# Altium PCB fastcar.PcbDoc (part 2 of 6) (continued)
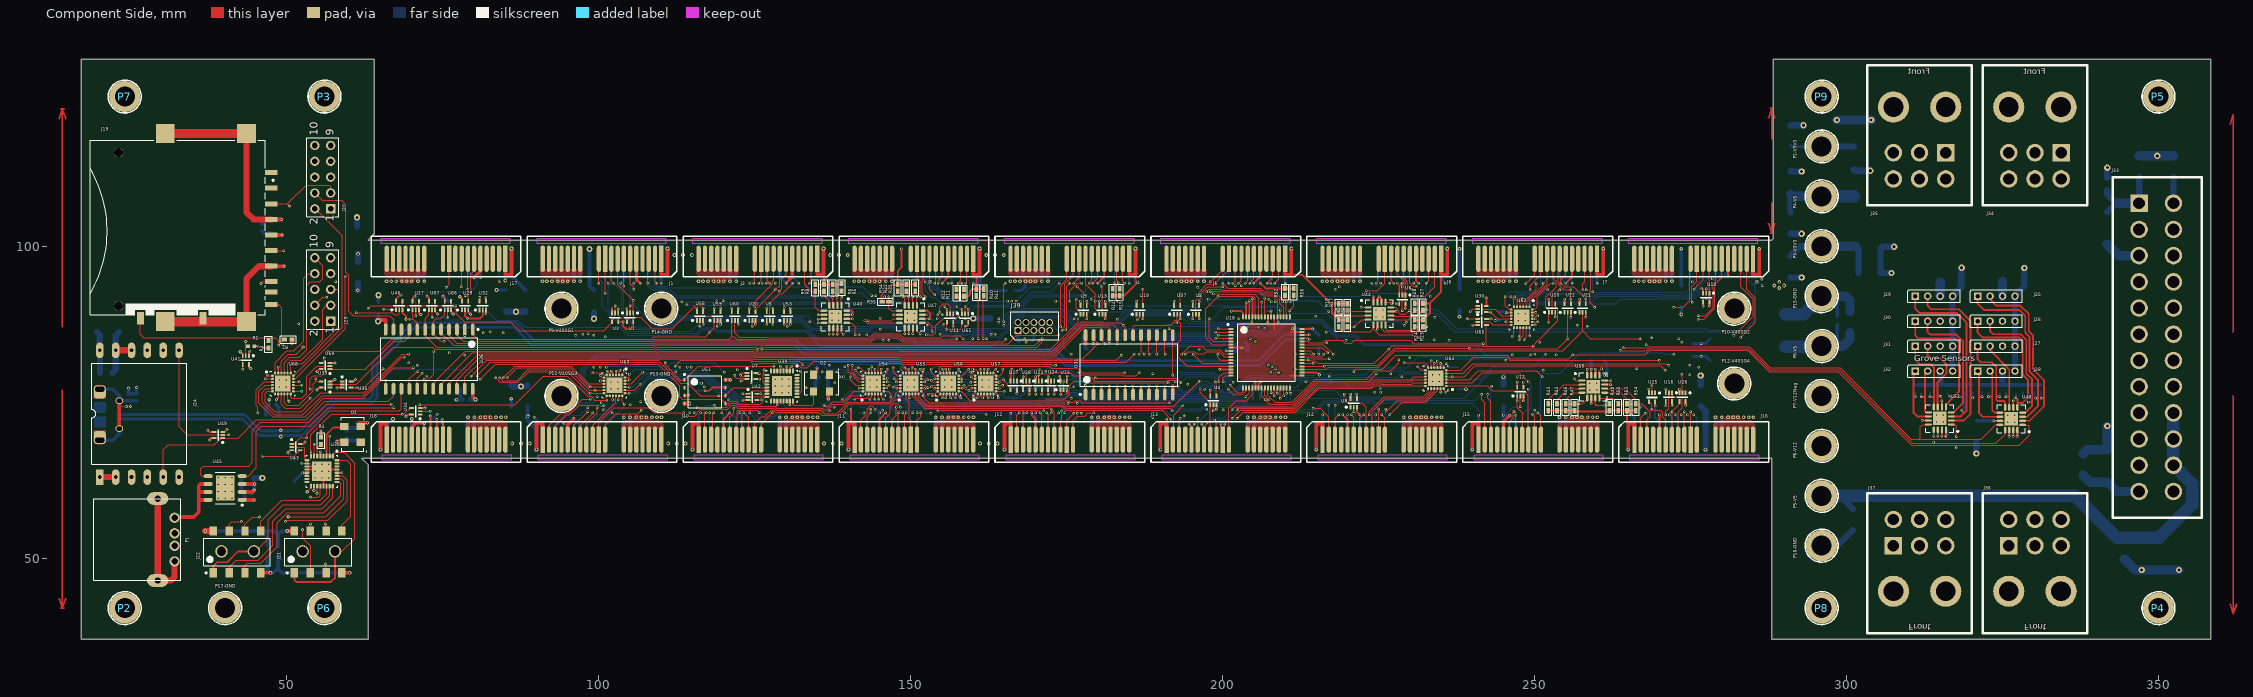
[diagram p0: Component Side view]
## Nets (pads, with @x,y where several pads share a name; then routed paths per layer and width w, separated by ;. In a path a pad name is that pad's centre, name@x,y a point inside that pad or via, vN(x,y) a via of type N, cw(c..) or ccw(c..) an arc to the next point about the centre after c; other vN are vias at no path point) (continued)
  Signal 2 w0.15: v1(46,66.3) 43.35,66.3 42.4,67.25 42.4,79.8 v1(42.9,80.3) 44.8,82.2 44.9,82.1 v1(56,82.1) 57.9,82.1 63,87.2 v1(63,90.1) ; v1(116.7,90.1) 117.2,90.6 118.9,90.6 119.4,90.1 v1(119.5,90.1) 119.5,90.2 119.9,90.6 121.575,90.6 122.075,90.1 v1(122.3,90.1) 122.925,90.725 127.275,90.725 v1(127.9,90.1) 128.5,90.7 130.1,90.7 v1(130.7,90.1) ; v1(155.8,86.7) 155.8,86.9 156.6,87.7 158.801,87.7 158.901,87.6 163.3,87.6 163.675,87.975 ; 163.675,87.976 163.924,88.225 ; 163.925,88.225 v1(164.1,88.4) ; v1(194.4,77.9) 198.4,77.9 v1(198.8,78.3) ; v1(198.8,78.3) 199.224,78.725 212.875,78.725 v1(213.3,78.3) ; v1(249.8,84) 249.8,83.98 250.08,83.7 257.6,83.7 258.1,84.2 v1(267.9,84.2) 273.2,84.2 v1(273.6,84.6)
  Signal 2 w0.3: v1(37.3,70.5) 37.3,71.2 37.9,71.8 42.35,71.8
  Solder Side w0.15: v1(130.7,90.1) 147.7,90.1 149.1,88.7 151.601,88.7 152.326,87.975 152.707,87.975 153.306,87.376 154.823,87.376 155.124,87.075 155.198,87.075 155.574,86.7 v1(155.8,86.7) ; v1(178.2,91.2) 178.9,90.5 180.5,90.5 v1(181.2,91.2) 181.9,90.5 195.5,90.5 v1(196.2,91.2) ; v1(213.3,78.3) 213.325,78.275 215.966,78.275 215.991,78.3 216.55,78.3 216.675,78.175 217.525,78.175 217.65,78.3 219.5,78.3 v1(221.5,76.3)
MOSI: U18.35 U19.2 U21.2 U23.2 U25.2 U27.2 U29.2 U32.2 U34.2 | length 267.6
  Component Side w0.15: U34.2@71.35,73.55 v1(72.95,73.55) ; U27.2@166.5,78.4 166.5,79.5 167.3,80.3 v1(167.6,80.3) ; U23.2@170.5,78.4 170.5,79.4 170.528,79.372 v1(170.528,79.35) 170.703,79.525 172.325,79.525 172.6,79.8 175.474,79.8 175.999,79.275 177.076,79.275 177.176,79.375 184.024,79.375 184.124,79.275 186.175,79.275 v1(186.6,79.7) ; v1(186.3,88.2) 186.7,88.6 U19.2@186.7,89.1 ; v1(211.59,80.3) 211.64,80.25 U18.35@212.31,80.25 ; U18.35@212.7,80.25 216.55,80.25 216.925,80.625 224.95,80.625 227.56,83.235 254.492,83.235 257.7,86.443 ; U21.2@257.7,89.4 257.7,86.443 ; v1(266.9,85.2) 258.943,85.2 257.7,86.443 ; v1(268.8,77.7) 268.82,77.68 U25.2@268.82,76.5
  Component Side w0.3: U29.2@78.55,89.8 78.55,88.83 v1@78.885,88.495 ; v1@78.93,88.45 80.97,88.45 81.39,88.87 U32.2@81.39,89.78
  Signal 1 w0.15: v1(72.95,73.55) 75.905,76.505 75.905,82.815 v1(76.04,82.95) 76.04,85.61 78.87,88.44 v1(78.87,88.48) ; v1(186.3,88.2) 186.6,87.9 v1(186.6,82.7) v1(186.6,79.7) ; v1(211.59,80.3) 211.6,80.31 v1(211.6,82.7) ; v1(266.9,85.2) 266.9,79.6 v1(268.8,77.7)
  Signal 2 w0.15: v1(76.04,82.95) 77.315,84.225 127,84.225 128.1,83.125 186.175,83.125 v1(186.6,82.7) 187.025,83.125 195.502,83.125 195.9,82.727 196.727,82.727 197.125,83.125 199.376,83.125 199.801,82.7 v1(211.6,82.7)
  Solder Side w0.15: v1(167.6,80.3) 168.1,79.8 170.1,79.8 170.528,79.372 v1(170.528,79.35)
NetC77_2: C77.2 J38.6@20,68.912 J38.7@20,77.087 J38.8@23.125,70.775 J38.9@23.125,75.225 R57.2 | length 15.9
  Component Side w0.6: J38.8@23.125,70.775 J38.9@23.125,75.225
  Solder Side w0.6: J38.6@20,68.912 22.063,68.913 23.15,70 J38.8@23.15,70.75 ; J38.7@20,77.087 22.063,77.087 23.15,76 23.15,75.25 C77.2@25.9,75.25
NetR4_2: R4.2 U38.6 | length 2.4
  Component Side w0.15: U38.6@54.85,66.125 54.85,67.65 R4.2@55.45,68.25
NetR26_1: R26.1 U51.7 | length 4.8
  Component Side w0.3: v1(117.03,76.84) 117.51,76.84 117.69,76.84 117.8,76.95 118.185,77.335 U51.7@120.275,77.335
  Solder Side w0.3: R26.1@115.7,76.85 v1@117.03,76.85
NetR30_2: R30.2 U51.3 | length 1.4
  Component Side w0.3: U51.3@113.725,76.065 114.365,76.065 v1(114.4,76.1)
  Solder Side w0.3: v1(114.4,76.1) R30.2@114.4,76.85
NetU36_18: U36.18 U37.4 | length 135.7
  Component Side w0.15: U36.18@72.165,77.15 72.165,78.165 73.5,79.5 v1(73.5,83.1) ; U37.4@193.2,90.5 v1(193.2,92.4)
  Signal 1 w0.15: v1(73.5,83.1) 73.5,86.951 v1(77.049,90.5)
  Signal 2 w0.15: v1(77.049,90.5) 89,90.5 91.6,93.1 104.9,93.1 105.4,92.6 106.2,92.6 106.325,92.725 112.526,92.725 113.051,92.2 128.724,92.2 128.899,92.375 135.626,92.375 136.451,93.2 150,93.2 150.2,93 163.924,93 164.549,92.376 173.026,92.376 ; 173.027,92.375 193.175,92.375 v1(193.2,92.4)
RESETENDS: J17.A10 J39.10 U68.6 | length 167.3
  Component Side w0.15: U68.6@47.675,76.75 46.85,76.75 46.5,76.4 46.5,75 48,73.5 52.35,73.5 53.748,74.898 55.4,76.55 62.326,76.55 68.476,82.7 v1(69.49,82.7) ; v1(75.5,93.4) 76,93.9 J17.A10@76,98
  Signal 1 w0.15: v1(69.49,82.7) 67,85.19 67,90.2 70.15,93.35 75.55,93.35 v1(75.5,93.4)
  Signal 2 w0.15: v1(69.49,82.7) 69.665,82.525 77.49,82.525 78.89,83.925 126.8,83.925 127.9,82.825 175.575,82.825 v1(175.7,82.7)
  Solder Side w0.15: J39.10@172.27,87.77 172.27,87.731 174.026,85.975 174.065,85.975 174.5,85.54 174.5,83.8 175.6,82.7 v1(175.7,82.7)
RESETMISO: U55.12 U59.2 | length 44
  Component Side w0.15: v1(119.001,87.201) v1@119.001,87.399 ; v1@119,87.4 U59.2@119,88.1 ; v1(151.5,80.3) 151.675,80.125 ; U55.12@151.675,79.25 151.75,79.25 151.9,79.4 151.9,79.899 151.675,80.124
  Signal 1 w0.15: v1(151.5,80.3) 151.5,84.949 152.075,85.524 152.075,86.775 v1(152.6,87.3)
  Signal 2 w0.15: v1(119.001,87.201) 119.502,86.7 127.424,86.7 127.449,86.725 129.874,86.725 130.124,86.475 130.476,86.475 131.001,87 144.799,87 144.924,87.125 145.024,87.125 145.224,87.325 152.049,87.325 ; 152.049,87.325 152.575,87.325 v1(152.6,87.3)
RESETN: U18.52 U54.13 U55.13 U56.13 U57.13 U62.13 U63.13 U64.13 U68.13 | length 235.4
  Component Side w0.15: U68.13@51.025,76.75 v1(52.35,76.75) ; v1(71.3,74.6) 86.5,74.6 91.1,79.2 94.9,79.2 98.175,75.925 98.776,75.925 99.351,75.35 v1@101.051,75.35 ; v1(101.25,75.35) U63.13@101.25,76.025 ; U54.13@145.25,79.675 v1(145.25,80.3) ; v1(150.7,80.3) 150.741,80.3 151.15,79.891 151.15,79.874 151.3,79.725 U55.13@151.25,79.675 ; U56.13@157.25,79.675 157.7,80.125 v1(157.7,80.3) ; U57.13@163.25,79.675 163.25,79.95 v1(163.6,80.3) ; U18.52@209.25,88.7 v1(209.25,89.75) ; v1(231.3,80.7) 231.88,80.12 U64.13@232.495,80.12 ; v1(246.4,85.6) 246.68,85.88 U62.13@246.68,86.955
  Signal 1 w0.15: v1(101.2,80.6) 101.2,80.575 100.8,80.175 100.8,75.8 v1(101.25,75.35) ; v1(209,79.7) 209,86.699 209.325,87.024 209.325,88.1 209,88.425 209,89.6 209.15,89.75 v1(209.25,89.75) ; v1(231.3,80.7) 231.3,85.2 v1(231.4,85.3)
  Signal 2 w0.15: v1(52.35,76.75) 53.4,77.8 65.5,77.8 68.7,74.6 v1(71.3,74.6) ; v1(120.1,79.8) 120.125,79.775 122.399,79.775 122.649,80.025 125.951,80.025 126.201,79.775 126.676,79.775 126.701,79.8 130.446,79.8 131.846,78.4 137.499,78.4 137.624,78.525 137.976,78.525 138.101,78.4 140.95,78.4 142.425,79.875 144.875,79.875 145.25,80.25 145.625,79.875 150.275,79.875 v1(150.7,80.3) 151.125,80.725 157.275,80.725 v1(157.7,80.3) 158.125,80.725 163.175,80.725 v1(163.6,80.3) 164.025,80.725 169.574,80.725 170.524,79.775 171.223,79.775 171.424,79.575 173.249,79.575 173.599,79.925 175.424,79.925 175.624,80.125 197.15,80.125 197.9,79.375 207.876,79.375 208.789,79.375 v1@209,79.585 ; v1(231.3,80.7) 231.175,80.825 224.326,80.825 222.976,79.475 218.1,79.475 217.65,79.925 215.283,79.925 214.943,79.586 211.901,79.586 211.89,79.575 209.011,79.575 v1@209,79.586 ; v1(231.4,85.3) 231.612,85.512 232.963,85.512 233.475,86.025 236.625,86.025 236.925,85.725 246.275,85.725 v1(246.4,85.6) ; v1@209,79.586 v1(209,79.7) v1@209,79.585
  Solder Side w0.15: v1(101.2,80.6) 101.3,80.6 101.5,80.8 111,80.8 111.5,81.3 118.6,81.3 v1(120.1,79.8)
S1ERR: J1.B2 U54.15 | length 52.1
  Component Side w0.15: v1@144.25,80.25 U54.15@144.25,79.675 v1(144.25,80.3)
  Signal 1 w0.15: v1@144.225,80.275 v1@144.25,80.25 ; v1(144.25,80.3) 144.375,80.425 144.375,86.399 144.375,87 144.375,92.075 v1(144.4,92.1)
  Solder Side w0.15: J1.B2@109,95.9 108.875,95.775 108.875,93.924 109.174,93.625 111.047,93.625 ; 111.047,93.64 111.26,93.64 111.575,93.325 127.924,93.325 128.124,93.525 133.099,93.525 134.249,92.375 137.05,92.375 137.2,92.525 142.175,92.525 143.1,91.6 143.9,91.6 v1(144.4,92.1)
S1GPIO1: J1.A8 U1.1 U31.1 | length 100.5
  Component Side w0.15: J1.A8@103,98 103.025,97.975 103.025,93.8 v1(105.5,91.325) U1.1@105.5,89.3 ; v1(178,77.7) 178.015,77.685 U31.1@178.015,76.25
  Signal 1 w0.15: v1(176.2,88.4) 176.2,83.6 178,81.8 v1(178,77.7)
  Solder Side w0.15: v1(105.5,91.325) 105.5,90.646 108.871,87.275 111.129,87.275 112.679,88.825 133.476,88.825 134.225,88.076 134.225,88.014 135.064,87.175 143.276,87.175 143.826,87.725 145.524,87.725 145.749,87.5 151.724,87.5 152.075,87.15 152.075,87.074 152.274,86.875 152.875,86.875 153.025,87.025 154.75,87.025 155.5,86.275 156.601,86.275 156.926,86.6 158.701,86.6 158.976,86.875 165.076,86.875 165.815,87.614 165.815,88.34 166.62,89.145 167.248,89.145 168.203,90.1 174.299,90.1 176,88.4 v1(176.2,88.4)
S1GPIO2: J1.B8 U57.15 | length 79.3
  Component Side w0.15: U57.15@162.25,79.675 162.25,80.15 v1(162.4,80.3)
  Signal 1 w0.15: v1(162.4,80.3) 162.7,80.6 162.7,81.024 163.5,81.824 v1(163.5,85.9)
  Solder Side w0.15: J1.B8@103,98 103,93.924 104,92.924 104,92.8 104.012,92.788 104.012,89.063 106.101,86.975 111.253,86.975 112.803,88.525 132.574,88.525 134.224,86.875 143.4,86.875 143.95,87.425 145.4,87.425 145.625,87.2 151.474,87.2 152.149,86.525 152.199,86.525 152.8,86.525 153.024,86.525 153.224,86.725 154.625,86.725 155.376,85.975 156.725,85.975 157.05,86.3 158.825,86.3 159.1,86.575 162.826,86.575 163.325,86.076 v1(163.5,85.9)
S1GPIO3: J1.A9 U57.16 | length 79.8
  Component Side w0.15: J1.A9@102,98 102,94.5 v1(102.4,94.1) ; U57.16@161.75,79.675 v1(161.75,80.3)
  Signal 1 w0.15: v1(161.75,80.3) 161.799,80.3 162.4,80.901 162.4,81.149 163,81.749 162.8,81.949 162.9,82.049 v1(162.9,85.9)
  Solder Side w0.15: v1(102.4,94.1) 103.7,92.8 103.7,88.951 105.976,86.675 111.377,86.675 112.927,88.225 132.45,88.225 134.1,86.575 143.524,86.575 144.074,87.125 145.276,87.125 145.501,86.9 151.35,86.9 152.15,86.1 152.198,86.1 152.324,86.225 152.676,86.225 152.925,85.976 152.925,85.95 153.699,85.175 156.349,85.175 157.175,86 158.95,86 159.175,86.225 162.575,86.225 v1(162.9,85.9)
S1GPIO4: J1.B9 U57.17 | length 79.6
  Component Side w0.15: v1(161.1,80.3) 161.25,80.15 U57.17@161.25,79.675
  Signal 1 w0.15: v1(161.1,80.3) 162.2,81.4 v1(162.2,85.2)
  Solder Side w0.15: J1.B9@102,98 101.975,97.975 101.975,93.875 101.5,93.4 101.5,89.699 104.824,86.375 114.774,86.375 116.324,87.925 132.325,87.925 134.975,85.275 142.976,85.275 143.326,85.625 145.9,85.625 147,85.625 147.6,85.625 148.05,85.175 150.376,85.175 150.976,84.575 158.674,84.575 159.724,85.625 161.875,85.625 162.2,85.3 v1(162.2,85.2)
S1GPIO5: J1.A10 U55.15 | length 73.3
  Component Side w0.15: v1(101,92.5) J1.A10@101,98 ; v1(150.2,80.6) 150.25,80.55 U55.15@150.25,79.675
  Signal 1 w0.15: v1(99.2,80.6) 99.2,80.625 101.8,83.225 101.8,86.6 101,87.4 101,91.524 ; 101,91.524 v1(101,92.5)
  Solder Side w0.15: v1(99.2,80.6) 99.2,80.649 99.074,80.774 100.175,81.875 130.426,81.875 131.776,80.525 132.826,80.525 133.401,81.1 135.8,81.1 136.7,80.2 140.599,80.2 141.524,81.125 149.675,81.125 v1(150.2,80.6)
S1GPIO6: J1.B10 U18.5 U18.59 | length 127.1
  Component Side w0.15: v1(197.8,88.4) 197.8,85.4 198.45,84.75 U18.5@201.3,84.75 ; v1(198.5,92.4) 198.525,92.425 199.625,92.425 199.725,92.325 205.126,92.325 205.75,91.701 U18.59@205.75,88.7
  Signal 1 w0.15: v1(197.8,88.4) 198.5,89.1 v1(198.5,92.4)
  Signal 2 w0.15: v1(101.5,94.1) 101.5,94.576 102.924,96 197.624,96 198.8,94.824 198.8,92.7 v1(198.5,92.4)
  Solder Side w0.15: J1.B10@101,98 101,94.6 v1(101.5,94.1)
S1GPIO7: J1.A11 U18.6 U18.60 | length 128.7
  Component Side w0.15: v1(100,94.1) J1.A11@100,98 ; U18.6@201.3,84.25 198.35,84.25 197.275,85.325 197.275,89.975 v1(199.3,92) 199.325,92.025 204.926,92.025 205.25,91.701 U18.60@205.25,88.7
  Signal 2 w0.15: v1(100,94.1) 100.6,94.1 100.7,94.2 102.8,96.3 197.749,96.3 199.1,94.949 199.1,92.2 v1(199.3,92) ; v1@199.425,92.075 199.45,92.05 199.5,92
S1GPIO8: J1.B11 U57.18 | length 78
  Component Side w0.15: v1(159.9,80.3) 160.4,80.3 160.5,80.2 ; 160.5,80.2 160.75,79.95 U57.18@160.75,79.675
  Signal 1 w0.15: v1(159.9,85.2) 159.5,85.2 159.9,84.8 v1(159.9,80.3)
  Solder Side w0.15: J1.B11@100,98 100,94.801 100.5,94.301 100.5,90.2 103.4,87.3 103.475,87.3 104.7,86.075 115.676,86.075 116.526,86.925 118.676,86.925 119.026,86.575 133.249,86.575 134.849,84.975 145.074,84.975 145.424,85.325 145.776,85.325 147.124,85.325 147.476,85.325 147.926,84.875 150.252,84.875 150.852,84.275 158.975,84.275 v1(159.9,85.2)
S1MISO: J1.B6 U1.2 | length 8.7
  Component Side w0.15: U1.2@104.92,89.29 U1.2@104.92,89.3 ; U1.2@105,89.3 v1(105,90.5)
  Solder Side w0.15: v1(105,90.5) 105,92.4 J1.B6@105,98
S1RXD: J1.A4
S1SCL: J1.A3 R6.2 U40.3 | length 37.2
  Component Side w0.15: v1(107.83,94.07) 107.83,97.83 J1.A3@108,98 ; R6.2@137.5,92.8 v1(137.5,91.8) 137.5,90.6 U40.3@137.575,90.525
  Solder Side w0.15: v1(107.83,94.07) 107.83,93.687 108.492,93.025 110.829,93.025 112.079,91.775 137.475,91.775 v1(137.5,91.8)
S1SDA: J1.B3 R5.2 U40.2 | length 38.1
  Component Side w0.15: U40.2@138.225,90.525 138.2,90.55 v1(138.2,91.8) 138.2,92.1 R5.2@138.9,92.8
  Solder Side w0.15: J1.B3@108,98 108.27,97.73 108.27,96.9 108,96.63 108,94.841 108.27,94.571 108.27,93.74 108.685,93.325 111.151,93.325 112.401,92.075 137.174,92.075 137.324,92.225 137.975,92.225 138.2,92 v1(138.2,91.8)
S1SIG: J1.A2 U56.15 | length 65.5
  Component Side w0.15: J1.A2@109,98 109,94.4 v1(109.3,94.1) ; v1(156.2,80.3) 156.2,79.725 U56.15@156.25,79.675
  Signal 1 w0.15: v1(155.461,90.339) 155.962,90.339 156.3,90.001 156.3,86.599 155.944,86.243 155.944,84.356 156.2,84.1 v1(156.2,80.3)
  Signal 2 w0.15: v1(109.3,94.1) 109.725,93.675 130.524,93.675 130.799,93.4 134.475,93.4 136.075,95 151.6,95 v1(152.3,94.3)
  Solder Side w0.15: v1(152.3,94.3) 152.3,92.899 153.424,91.775 154.025,91.775 v1(155.461,90.339)
S1TXD: J1.B4
S2ERR: J2.B2 U54.16 | length 26.6
  Component Side w0.15: U54.16@143.75,79.675 v1(143.75,80.7)
  Signal 1 w0.15: v1(143.7,92.1) 143.7,80.75 v1(143.75,80.7)
  Solder Side w0.15: J2.B2@134,98 134,94.624 135.099,93.525 142.275,93.525 v1(143.7,92.1)
S2GPIO1: J2.A8 U5.1 U31.2 | length 83.7
  Component Side w0.15: v1(125,90.3) 125,91.099 127.825,93.924 127.825,94.425 128,94.6 J2.A8@128,98 ; v1(126.1,83.5) 172.46,83.5 176.8,87.84 v1(176.8,88.4) ; v1(126.9,87.5) U5.1@126.9,88.1 ; U31.2@179.285,76.25 v1(179.285,77.6)
  Signal 1 w0.15: v1(125,90.3) 126.9,88.4 v1(126.9,87.5) 126.9,84.3 v1(126.1,83.5) ; v1(176.8,88.4) 178.54,86.66 178.54,83.2 179.175,82.565 179.175,78.7 179.285,78.59 v1(179.285,77.6)
S2GPIO2: J2.B8 U57.19 | length 45.3
  Component Side w0.15: v1(159.6,79.8) 160.15,79.251 U57.19@160.325,79.25
  Signal 1 w0.15: v1(128.3,94.1) 129.325,93.075 129.325,92.6 132.4,89.525 132.4,88.2 134.49,86.11 134.49,85.01 138.975,80.525 138.975,80.524 139.2,80.299 v1(139.2,79.1)
  Solder Side w0.15: J2.B8@128,98 128,94.4 v1(128.3,94.1) ; v1(139.2,79.1) 139.625,79.525 140.576,79.525 140.776,79.325 145.7,79.325 145.95,79.575 146.725,79.575 146.925,79.775 155.875,79.775 155.9,79.8 v1(159.6,79.8)
S2GPIO3: J2.A9 U57.20 | length 47
  Component Side w0.15: J2.A9@127,98 127,94.501 v1@127.4,94.101 ; v1(159.7,79.1) 159.7,79 159.95,78.75 U57.20@160.325,78.75
  Signal 1 w0.15: v1(127.4,94.1) 127.4,92.9 127.925,92.375 129.126,92.375 132.1,89.401 132.1,88.076 134.19,85.986 134.19,84.81 138.6,80.4 v1(138.6,79.1)
  Solder Side w0.15: v1@138.6,79.099 139.024,78.675 139.3,78.675 140.9,78.675 141.25,79.025 145.824,79.025 146.074,79.275 146.849,79.275 147.049,79.475 152.175,79.475 153.6,79.475 159.225,79.475 159.6,79.1 v1(159.7,79.1)
S2GPIO4: J2.B9 U57.21 | length 48.7
  Component Side w0.15: v1@159.602,78.25 U57.21@160.325,78.25
  Signal 1 w0.15: v1(126.8,94.1) 126.8,93.076 129.275,90.601 129.275,90.024 129.524,89.775 129.976,89.775 133.89,85.861 133.89,84.686 137.875,80.701 137.875,78.624 137.9,78.599 137.8,78.499 v1(137.8,78.1)
  Signal 2 w0.15: v1(137.8,78.1) 141.676,78.1 143.151,79.575 158.45,79.575 158.975,79.051 158.975,78.8 159.574,78.2 v1(159.6,78.2)
  Solder Side w0.15: v1(126.8,94.1) 126.975,94.275 126.975,97.975 J2.B9@127,98
S2GPIO5: J2.A10 U55.16 | length 37.3
  Component Side w0.15: J2.A10@126,98 126,94.301 v1@126.2,94.101 ; v1(149.7,80.3) 149.7,79.725 U55.16@149.75,79.675
  Signal 1 w0.15: v1(126.2,94.1) 126.2,93 128,91.2 128.025,91.2 128.975,90.25 128.975,89.9 129.4,89.475 129.75,89.475 133.59,85.635 133.59,83.11 135.8,80.9 v1(135.8,79.9)
  Solder Side w0.15: v1(135.8,79.9) 135.875,79.825 140.774,79.825 140.924,79.675 145.625,79.675 145.826,79.875 146.376,79.875 146.576,80.075 148.824,80.075 149.176,80.075 149.401,80.3 v1(149.7,80.3)
S2GPIO6: J2.B10 U18.51 | length 94.6
  Component Side w0.15: v1(197.4,92.7) 197.824,93.125 199.774,93.125 199.924,92.975 205.926,92.975 206.501,92.4 208.176,92.4 209.175,91.401 209.175,91.276 ; 209.175,91.276 209.175,90.825 209.75,90.25 U18.51@209.75,88.7
  Signal 2 w0.15: v1(125.6,94.1) 125.6,94.3 126.4,95.1 129.724,95.1 130.024,95.4 196.842,95.4 197.525,94.717 197.525,92.825 v1(197.4,92.7)
  Solder Side w0.15: v1@125.6,94.101 126,94.501 J2.B10@126,98
S2GPIO7: J2.A11 U18.53 | length 95.2
  Component Side w0.15: v1(124.8,94.1) 125,94.3 J2.A11@125,98 ; v1(198,92.7) 198.125,92.825 199.65,92.825 199.8,92.675 205.802,92.675 206.377,92.1 208.001,92.1 208.825,91.276 208.825,88.775 U18.53@208.75,88.7
  Signal 2 w0.15: v1(124.8,94.1) 124.8,94.3 125.9,95.4 129.6,95.4 129.9,95.7 197.5,95.7 198.5,94.7 198.5,93.2 v1(198,92.7)
S2GPIO8: J2.B11 U57.22 | length 53
  Component Side w0.15: v1(158.8,77.2) 159.35,77.75 U57.22@160.325,77.75
  Signal 1 w0.15: v1(124.2,94.1) 124.624,93.675 ; 124.625,93.675 127.4,90.9 127.901,90.9 128.675,90.126 128.675,89.775 129.275,89.175 129.626,89.175 133.2,85.601 v1(133.2,77.3)
  Signal 2 w0.15: v1(133.2,77.3) 137,77.3 137.475,76.825 146.275,76.825 ; 146.275,76.825 146.375,76.825 147.225,76.825 151.974,76.825 152.046,76.753 158.375,76.753 158.8,77.178 v1(158.8,77.2)
  Solder Side w0.15: v1@124.2,94.101 125,94.901 J2.B11@125,98
S2MISO: J2.B6 U5.2 | length 12.2
  Component Side w0.15: U5.2@127.35,88.1 127.4,88.15 127.4,90.9 128.875,92.375 129.375,92.375 v1(131.1,94.1)
  Solder Side w0.15: J2.B6@130,98 130,95.2 v1(131.1,94.1)
S2RXD: J2.A4
S2SCL: J2.A3 R9.2 U40.5 | length 10.5
  Component Side w0.15: J2.A3@133,98 133,93.8 134,92.8 R9.2@134.7,92.8 134.7,90.2 135.225,89.675 U40.5@136.075,89.675
S2SDA: J2.B3 R8.2 U40.4 | length 10.2
  Component Side w0.15: v1(135.4,92.8) R8.2@136.1,92.8 136.1,92.1 136.925,91.275 U40.4@136.925,90.525
  Solder Side w0.15: J2.B3@133,98 133,94.099 134.299,92.8 v1(135.4,92.8)
S2SIG: J2.A2 U56.16 | length 41.4
  Component Side w0.15: v1(133.7,94.1) 134,94.4 J2.A2@134,98 ; v1(155.6,80.3) 155.7,80.3 155.75,80.25 U56.16@155.75,79.675
  Signal 1 w0.15: v1@133.7,94.199 132.7,93.199 132.7,89 v1(133.8,87.9) ; v1(133.7,94.1) v1@133.7,94.199 ; v1(155.3,87.5) 155.3,86.598 155.6,86.298 v1(155.6,80.3)
  Signal 2 w0.15: v1(133.8,87.9) 134.4,87.3 144.674,87.3 144.799,87.425 144.9,87.425 145.1,87.625 152.025,87.625 152.2,87.8 155,87.8 v1(155.3,87.5)
S2TXD: J2.B4
S3ERR: J3.B2 U54.17 | length 32.3
  Component Side w0.15: U54.17@143.25,79.675 v1(143.25,80.3)
  Signal 1 w0.15: 142.9,81.8 142.9,80.65 v1(143.25,80.3) ; 142.9,81.8 v1(142.9,85.8)
  Signal 2 w0.15: v1(142.9,85.8) 143.025,85.925 145.476,85.925 146.576,87.025 151.925,87.025 ; 151.925,87.025 152.025,87.025 152.225,86.825 152.775,86.825 153.025,87.075 155.476,87.075 156.599,88.198 156.599,88.6 v1(157.4,89.4)
  Solder Side w0.15: v1(157.4,89.4) 157.775,89.775 157.775,90.076 157.899,90.2 157.899,91.099 159.425,92.625 159.425,94.376 159.075,94.726 159.075,97.925 J3.B2@159,98
S3GPIO1: J3.A8 U9.1 U31.3 | length 51.6
  Component Side w0.15: J3.A8@153,98 153,93 v1(153.8,92.2) ; v1(176.5,91.4) 176.5,90.1 177.2,89.4 U9.1@177.2,89.1 ; U31.3@180.555,76.25 180.555,77.545 v1(180.6,77.59)
  Signal 1 w0.15: v1(178.9,91.5) 178.9,89.3 180.725,87.475 180.725,77.715 v1(180.6,77.59)
  Signal 2 w0.15: v1(153.8,92.2) 153.7,92.2 153.6,92.3 153.7,92.4 153.6,92.5 153.8,92.7 163.8,92.7 164.6,91.9 166.699,91.9 166.724,91.925 175.975,91.925 v1(176.5,91.4) 177,91.9 178.5,91.9 v1(178.9,91.5)
S3GPIO2: J3.B8 U57.24 | length 25.5
  Component Side w0.15: v1@157.6,88.8 v1(157.7,88.7) ; 159.45,76.75 U57.24@160.325,76.75
  Signal 1 w0.15: v1(157.7,88.7) 158.1,88.3 158.1,86.599 ; 158.1,86.599 158.1,86.077 157.875,85.852 157.875,83.198 158.875,82.198 158.875,80.124 159.1,79.899 159.1,77.925 159.3,77.725 v1(159.3,76.9) v1@159.25,76.9
  Solder Side w0.15: J3.B8@153,98 153,95.05 153.375,94.675 153.375,93.725 153.425,93.675 154.098,93.675 156.974,90.8 156.974,89.225 157.224,88.975 157.425,88.975 v1(157.7,88.7)
S3GPIO3: J3.A9 U57.1 | length 30.1
  Component Side w0.15: J3.A9@152,98 152,94.601 151.8,94.401 151.8,92.4 v1(152.3,91.9) ; v1(160,75.7) 160,76.025 160.3,76.325 U57.1@160.75,76.325
  Signal 1 w0.15: v1(152.3,91.9) 152.4,91.9 152.35,91.85 153.025,91.175 154.224,91.175 154.25,91.2 155.8,91.2 156.649,90.351 156.649,88.152 157.4,87.401 157.4,86.225 157.1,85.925 156.675,85.5 156.675,79.425 157.2,78.9 157.2,77.176 158.073,76.303 158.722,76.303 159.325,75.7 v1(160,75.7)
S3GPIO4: J3.B9 U57.2 | length 29
  Component Side w0.15: v1(160.6,75.7) 160.899,75.7 161.25,76.051 U57.2@161.25,76.325
  Signal 1 w0.15: v1(157.12,88.5) 157.7,87.92 157.7,86.101 157.224,85.625 156.975,85.376 156.975,79.55 157.625,78.9 157.625,77.2 158.222,76.603 158.846,76.603 159.249,76.2 160.101,76.2 v1@160.6,75.701
  Solder Side w0.15: J3.B9@152,98 152,95.4 152.375,95.025 152.6,95.025 153.075,94.55 153.075,93.525 153.225,93.375 153.974,93.375 156.674,90.675 156.674,88.946 v1(157.12,88.5)
S3GPIO5: J3.A10 U55.17 | length 19.8
  Component Side w0.15: v1(149,80.5) 149.25,80.25 U55.17@149.25,79.675 ; J3.A10@151,98 151,94.9 151.5,94.4 151.5,92 v1(151.6,91.9)
  Signal 1 w0.15: v1(149,80.5) 150.75,82.25 150.75,86.375 151.199,86.825 151.3,86.825 151.4,86.925 151.4,91.499 151.6,91.699 v1(151.6,91.9)
S3GPIO6: J3.B10
S3GPIO7: J3.A11
S3GPIO8: J3.B11 U57.3 | length 30.7
  Component Side w0.15: v1(161.5,75.7) 161.6,75.7 161.75,75.85 U57.3@161.75,76.325
  Signal 1 w0.15: v1(158.7,88.4) 160.325,86.775 160.325,84.924 160.3,84.899 160.3,80.501 160.325,80.476 160.325,76.875 v1(161.5,75.7)
  Solder Side w0.15: J3.B11@150,98 150,95.6 150.8,94.8 151.8,94.8 151.875,94.725 152.476,94.725 152.775,94.426 152.775,93.398 153.098,93.075 153.85,93.075 156.374,90.551 156.374,88.626 156.925,88.075 157.325,88.075 158.375,88.075 v1(158.7,88.4)
S3MISO: J3.B6 U9.2 | length 31.2
  Component Side w0.15: v1(176.7,93.5) 177.7,92.5 U9.2@177.7,89.1
  Signal 2 w0.15: v1(156,94.1) 156.175,94.275 ; 156.175,94.276 156.424,94.525 158.023,94.525 ; 158.023,94.526 158.376,94.526 ; 158.376,94.525 163.726,94.525 164.951,93.3 177,93.3 176.8,93.5 v1(176.7,93.5)
  Solder Side w0.15: J3.B6@155,98 155,95.1 v1(156,94.1)
S3RXD: J3.A4
S3SCL: J3.A3 R12.2 U40.8 | length 34.3
  Component Side w0.15: v1(135.155,87.725) 136.045,87.725 136.085,87.685 136.1,87.7 U40.8@136.075,87.725 ; R12.2@157.26,92.87 157.26,93.77 157.59,94.1 v1(157.6,94.1) ; v1@157.614,94.156 158,94.541 J3.A3@158,98
  Signal 1 w0.15: v1(135.155,87.725) 135.115,87.725 134.35,88.49 134.35,89.775 138.3,93.725 147.902,93.725 148.378,94.2 151.773,94.2 152.148,93.825 153.22,93.825 153.37,93.675 157.145,93.675 157.6,94.13 v1(157.6,94.1)
S3SDA: J3.B3 R11.2 U40.7 | length 33.5
  Component Side w0.15: v1(135.185,88.335) U40.7@136.075,88.335 ; 158.375,93.985 158.375,92.975 R11.2@158.48,92.87
  Signal 1 w0.15: v1(135.185,88.335) 134.945,88.335 134.68,88.6 134.68,89.681 138.424,93.425 148.027,93.425 148.502,93.9 151.649,93.9 152.024,93.525 153.096,93.525 153.246,93.375 157.535,93.375 v1@158.21,94.05
  Solder Side w0.15: J3.B3@158,98 158.025,97.975 158.025,94.275 v1(158.199,94.101) ; v1@158.15,94.21 v1@158.18,94.21
S3SIG: J3.A2 U56.17 | length 21
  Component Side w0.15: v1(155,80.3) 155.25,80.049 U56.17@155.25,79.675 ; v1(158.8,94.1) 159,94.3 J3.A2@159,98
  Signal 1 w0.15: v1(155,80.3) 155,84.074 155.225,84.299 155.225,86.249 154.875,86.599 154.875,87.676 155,87.801 v1(155,89)
  Signal 2 w0.15: v1(155,89) 155.701,89 157,90.299 157.399,90.299 v1(157.399,90.301)
  Solder Side w0.15: v1(157.399,90.301) 157.399,91.299 158.8,92.7 v1(158.8,94.1)
S3TXD: J3.B4
S4ERR: J4.B2 U54.18 | length 57.8
  Component Side w0.15: v1(141.6,80.5) 141.925,80.5 U54.18@142.75,79.675
  Signal 1 w0.15: v1(141.6,80.5) 141.675,80.575 141.675,85.775 v1(141.7,85.8)
  Signal 2 w0.15: v1(141.7,85.8) 142.2,85.3 143.375,85.3 143.7,85.625 145.601,85.625 146.701,86.725 151.8,86.725 151.9,86.725 152.1,86.525 152.95,86.525 153.2,86.775 155.025,86.775 155.525,86.275 155.976,86.275 156.426,86.725 161.125,86.725 161.7,87.3 v1(164.9,87.3)
  Solder Side w0.15: v1@164.901,87.3 165.4,87.799 165.4,88.349 166.496,89.445 167.069,89.445 169.549,91.925 181.876,91.925 183.875,93.924 183.875,97.875 J4.B2@184,98
S4GPIO1: J4.A8 U13.1 U31.4 | length 26.2
  Component Side w0.15: J4.A8@178,98 178.025,97.975 178.025,93.924 179.6,92.348 v1(179.6,91.2) 179.6,90 180.2,89.4 U13.1@180.2,89.1 ; U31.4@181.825,76.25 v1(181.825,77.525)
  Signal 1 w0.15: v1@179.6,91.199 181.825,88.974 181.825,85.25 182.37,84.705 182.37,83.929 181.825,83.384 v1(181.825,77.525) v1@181.8,77.5
S4GPIO2: J4.B8 U57.4 | length 34.8
  Component Side w0.15: U57.4@162.25,76.325 162.25,75.85 v1(162.4,75.7)
  Signal 1 w0.15: v1(162.4,75.7) 162.4,76.628 163.025,77.253 163.025,78.772 163,78.797 163,80.9 163.975,81.875 163.975,87.675 v1(164.1,87.8)
  Solder Side w0.15: v1(164.1,87.8) 164.275,87.975 ; 164.276,87.975 164.525,88.224 ; 164.525,88.225 166.045,89.745 166.945,89.745 169.425,92.225 177.525,92.225 178.025,92.725 178.025,97.975 J4.B8@178,98
S4GPIO3: J4.A9 U57.5 | length 38
  Component Side w0.15: U57.5@162.75,76.325 162.75,76.05 v1(163.1,75.7) ; v1(164.9,87.9) 164.9,93.7 164.8,93.8 v1(165.1,94.1) ; v1(176.099,94.101) 176.101,94.101 177,95 J4.A9@177,98
  Signal 1 w0.15: v1(163.1,75.7) 163.1,76.904 163.325,77.129 163.325,77.976 164,78.651 164,79.4 164.275,79.675 164.275,83.875 164.275,87.276 v1(164.9,87.9)
  Signal 2 w0.15: v1(165.1,94.1) 165.1,94.6 165.5,95 172.3,95 173.375,93.925 ; 173.375,93.924 173.699,93.6 176.2,93.6 176.275,93.675 ; v1(176.099,94.101) 176.698,94.101 176.699,94.1 176.275,93.676
S4GPIO4: J4.B9 U57.6 | length 34.5
  Component Side w0.15: U57.6@163.25,76.325 163.575,76.325 164,75.9 v1(164,75.7) ; v1(175.5,91.2) 175.5,92.9 176.275,93.675 ; 176.275,93.676 176.699,94.1 v1(177.4,94.1)
  Signal 1 w0.15: v1(164,75.7) 165,75.7 167,77.7 167,82.697 166.4,83.297 166.4,85.451 166.415,85.466 166.415,88.115 169.925,91.625 175.075,91.625 v1(175.5,91.2)
  Solder Side w0.15: J4.B9@177,98 177,94.5 v1(177.4,94.1)